# Altium PCB DIOT_Backplane.pcbdoc (part 9 of 11) (continued)
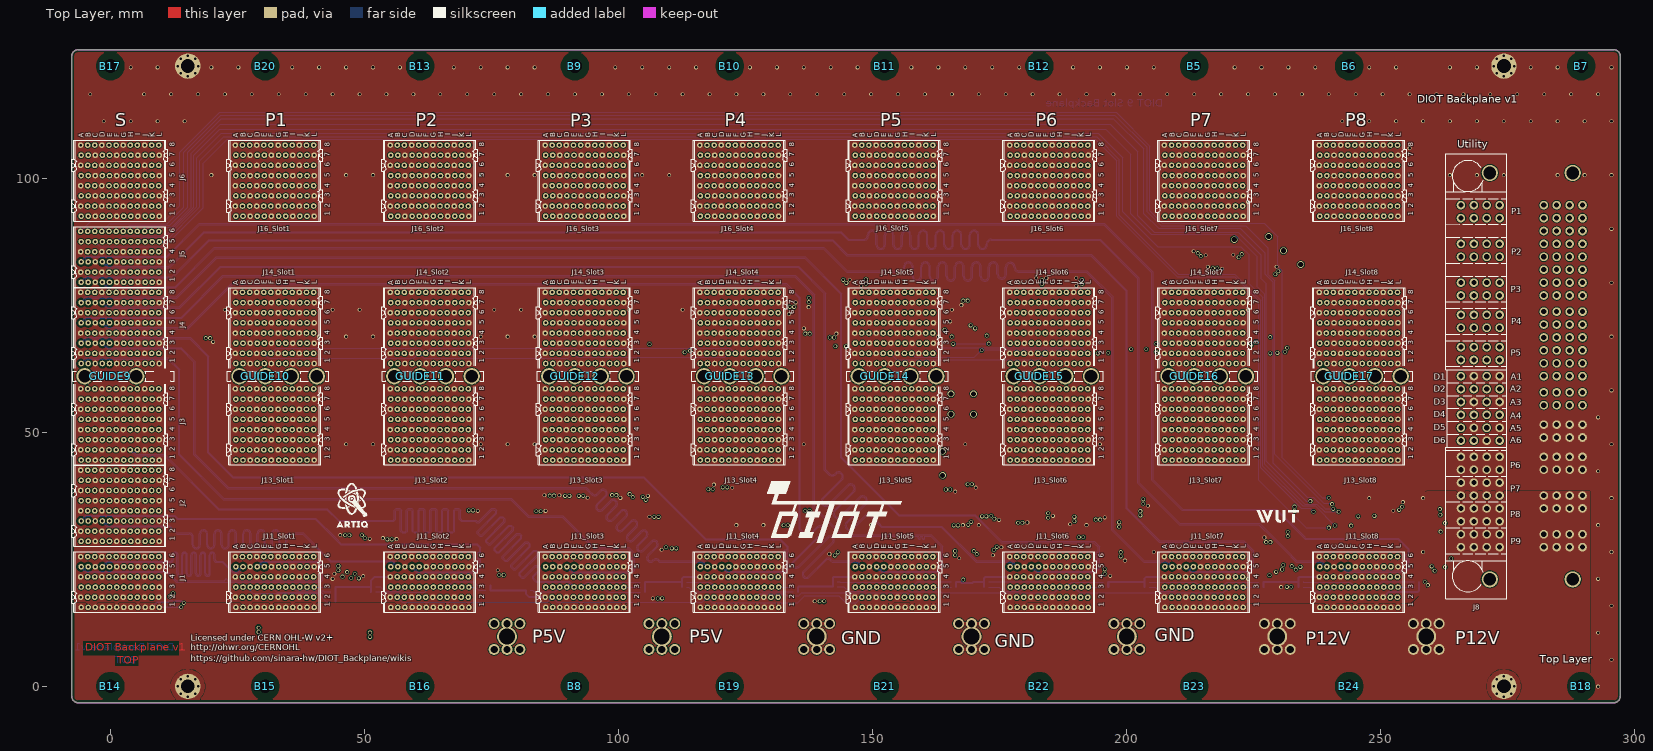
[diagram p0: Top Layer view]
## Nets (pads, with @x,y where several pads share a name; then routed paths per layer and width w, separated by ;. In a path a pad name is that pad's centre, name@x,y a point inside that pad or via, vN(x,y) a via of type N, cw(c..) or ccw(c..) an arc to the next point about the centre after c; other vN are vias at no path point) (continued)
R20.2 | length 110.7
  Bottom Layer w0.3: J1.L1@9.62,15.55 9.654,15.584 12.239,15.584
  Bottom Layer w0.4: C1.1@44.285,16.673 C2.1@44.285,17.639 C3.1@44.285,18.604 44.305,18.624 44.305,19.569 R2.1@51.264,19.569 ; C7.1@51.284,18.578 51.264,18.598 R2.1@51.264,19.569 ; J11_Slot2.A4@55.08,21.55 52.064,21.55 51.264,20.75 R2.1@51.264,19.569 ; C8.1@74.79,19.874 74.79,18.929 R3.1@74.81,18.909 C9.1@81.79,18.909 81.79,18.199 82.438,17.55 J11_Slot3.A2@85.56,17.55 ; C11.1@105.22,18.553 105.252,18.586 R5.1@105.252,19.544 105.24,19.556 R4.1@105.24,20.534 R6.1@112.542,20.534 ; R7.1@112.542,19.544 R6.1@112.542,20.534 ; J11_Slot4.A4@116.04,21.55 112.848,21.55 112.542,21.244 R6.1@112.542,20.534 ; C12.1@135.319,18.578 135.339,18.598 R8.1@135.339,19.544 135.415,19.62 C4.2@142.222,19.62 142.222,21.339 142.433,21.55 J11_Slot5.A4@146.52,21.55 ; R10.2@166.466,19.544 R9.2@166.466,20.547 167.356,20.547 167.562,20.341 169.609,20.341 169.815,20.547 C6.2@171.973,20.547 ; R11.2@171.953,19.527 171.953,20.547 171.953,21.238 172.266,21.55 J11_Slot6.A4@177,21.55 ; R13.2@196.425,19.535 R12.2@196.426,20.509 196.451,20.534 R14.2@203.588,20.534 ; C10.2@203.602,19.527 203.602,21.258 203.894,21.55 J11_Slot7.A4@207.48,21.55 ; R16.2@226.994,19.547 R15.2@226.994,20.534 227.045,20.585 R18.2@233.84,20.585 ; R17.2@233.84,19.556 R18.2@233.84,20.585 ; J11_Slot8.A4@237.96,21.55 234.055,21.55 233.84,21.334 R18.2@233.84,20.585 ; J11_Slot8.J2@250.56,17.55 251.614,18.604 257.354,18.604 257.614,18.863 R19.2@257.614,20.56
  other v1: 292.84,-0.05 295.49,5.25 292.84,10.55 295.49,15.85 138.628,16.752 106.776,17.311 230.454,19.541 43.74,21.15 223.94,21.15 292.84,21.15 49.765,21.711 196.82,21.75 44.089,22.163 76.264,22.851 199.72,24.75 167.105,25.225 173.731,25.795 141.523,26.049 205.39,26.45 258.39,26.45 295.49,26.45 108.503,26.887 175.389,27.399 56.327,28.992 51.053,29.034 53.636,29.188 227.172,29.3 45.252,29.778 134.284,31.716 123.24,31.75 128.54,31.75 149.74,31.75 167.82,31.75 170.94,31.75 192.14,31.75 292.84,31.75 188.92,31.891 180.52,32.25 174.92,32.75 195.72,33.25 106.122,33.403 185.52,33.55 72.314,34.529 85.669,34.532 252.521,34.558 204.22,35.55 254.426,36.26 247.79,37.05 258.39,37.05 295.49,37.05 100.406,37.086 93.944,37.141 105.811,37.479 85.44,37.606 88.387,37.606 166.32,38.35 122.423,39.079 170.357,39.139 118.81,39.718 292.84,42.35 46.39,47.65 51.69,47.65 72.89,47.65 78.19,47.65 83.49,47.65 136.49,47.65 168.29,47.65 194.79,47.65 295.49,47.65 292.84,52.95 295.49,58.25 20.213,67.806 41.09,68.85 46.39,68.85 51.69,68.85 72.89,68.85 78.19,68.85 83.49,68.85 162.99,68.85 295.49,68.85 142.92,69.432 136.52,70.45 165.288,71.845 133.573,73.267 22.54,74.15 43.74,74.15 49.04,74.15 75.54,74.15 80.84,74.15 102.04,74.15 112.64,74.15 165.64,74.15 223.94,74.15 137.434,74.664 167.52,75.05 134.869,75.579 147.82,78.85 190.164,78.855 178.89,79.45 295.49,79.45 145.537,80.024 182.265,80.354 184.246,80.379 190.114,80.379 218.841,82.208 216.047,82.564 229.56,82.589 215.62,84.85 221.02,84.95 213.22,85.65 295.49,90.05 223.94,95.35 19.89,100.65 46.39,100.65 51.69,100.65 72.89,100.65 78.19,100.65 83.49,100.65 104.69,100.65 109.99,100.65 263.69,100.65 268.99,100.65 274.29,100.65 284.89,100.65 290.19,100.65 295.49,100.65 255.74,105.95 -1.31,111.25 3.99,111.25 9.29,111.25 14.59,111.25 242.49,111.25 247.79,111.25 253.09,111.25 258.39,111.25 263.69,111.25 268.99,111.25 274.29,111.25 279.59,111.25 284.89,111.25 290.19,111.25 295.49,111.25 -3.96,116.55 6.64,116.55 11.94,116.55 17.24,116.55 22.54,116.55 27.84,116.55 33.14,116.55 38.44,116.55 43.74,116.55 49.04,116.55 54.34,116.55 59.64,116.55 64.94,116.55 70.24,116.55 75.54,116.55 80.84,116.55 86.14,116.55 91.44,116.55 96.74,116.55 102.04,116.55 107.34,116.55 112.64,116.55 117.94,116.55 123.24,116.55 128.54,116.55 133.84,116.55 139.14,116.55 144.44,116.55 149.74,116.55 155.04,116.55 160.34,116.55 165.64,116.55 170.94,116.55 176.24,116.55 181.54,116.55 186.84,116.55 192.14,116.55 197.44,116.55 202.74,116.55 208.04,116.55 213.34,116.55 218.64,116.55 223.94,116.55 229.24,116.55 234.54,116.55 239.84,116.55 245.14,116.55 250.44,116.55 255.74,116.55 261.04,116.55 266.34,116.55 271.64,116.55 276.94,116.55 282.24,116.55 287.54,116.55 292.84,116.55 3.99,121.85 9.29,121.85 19.89,121.85 25.19,121.85 35.79,121.85 41.09,121.85 46.39,121.85 51.69,121.85 56.99,121.85 67.59,121.85 72.89,121.85 78.19,121.85 83.49,121.85 99.39,121.85 104.69,121.85 109.99,121.85 115.29,121.85 125.89,121.85 131.19,121.85 136.49,121.85 141.79,121.85 147.09,121.85 157.69,121.85 162.99,121.85 168.29,121.85 173.59,121.85 178.89,121.85 189.49,121.85 194.79,121.85 200.09,121.85 205.39,121.85 221.29,121.85 226.59,121.85 231.89,121.85 237.19,121.85 247.79,121.85 253.09,121.85 263.69,121.85 268.99,121.85 279.59,121.85 284.89,121.85 295.49,121.85
  other v2: 15.24,-2.025 274.32,-2.025 13.808,-1.432 16.672,-1.432 272.888,-1.432 275.752,-1.432 13.215,0 17.265,0 272.295,0 276.345,0 13.808,1.432 16.672,1.432 272.888,1.432 275.752,1.432 15.24,2.025 274.32,2.025 15.24,120.075 274.32,120.075 13.808,120.668 16.672,120.668 272.888,120.668 275.752,120.668 13.215,122.1 17.265,122.1 272.295,122.1 276.345,122.1 13.808,123.532 16.672,123.532 272.888,123.532 275.752,123.532 15.24,124.125 274.32,124.125
I2C_SCL: J1.B2 J11_Slot1.B2 J11_Slot2.B2 J11_Slot3.B2 J11_Slot4.B2 J11_Slot5.B2 J11_Slot6.B2 J11_Slot7.B2 J11_Slot8.B2 | length 252.2
  L4 w0.102: J1.B2@-4.48,17.55 -3.527,16.597 13.287,16.597 13.99,17.3 20.77,17.3 21.625,16.445 24.895,16.445 J11_Slot1.B2@26,17.55 27.181,16.369 55.299,16.369 J11_Slot2.B2@56.48,17.55
  L8 w0.102: J11_Slot5.B2@147.92,17.55 148.924,16.546 177.396,16.546 J11_Slot6.B2@178.4,17.55 178.4,17.558 179.242,18.401 208.029,18.401 J11_Slot7.B2@208.88,17.55
  L10 w0.102: J11_Slot7.B2@208.88,17.55 209.756,18.426 238.158,18.426 239.034,17.55 J11_Slot8.B2@239.36,17.55
  Bottom Layer w0.102: J11_Slot2.B2@56.48,17.55 57.455,16.575 85.985,16.575 J11_Slot3.B2@86.96,17.55 87.913,16.597 116.487,16.597 J11_Slot4.B2@117.44,17.55 118.494,16.496 135.298,16.496 136.672,17.87 143.327,17.87 144.724,16.473 146.866,16.496 J11_Slot5.B2@147.92,17.55
I2C_SDA: J1.C2 J11_Slot1.C2 J11_Slot2.C2 J11_Slot3.C2 J11_Slot4.C2 J11_Slot5.C2 J11_Slot6.C2 J11_Slot7.C2 J11_Slot8.C2 | length 254.1
  L2 w0.102: J1.C2@-3.08,17.55 -2.143,16.613 13.703,16.613 14.935,17.845 21.589,17.845 22.871,16.563 26.413,16.563 J11_Slot1.C2@27.4,17.55 ; J11_Slot2.C2@57.88,17.55 58.858,16.572 87.382,16.572 J11_Slot3.C2@88.36,17.55
  L4 w0.102: J11_Slot1.C2@27.4,17.55 28.226,16.724 53.027,16.724 55.008,18.705 56.725,18.705 J11_Slot2.C2@57.88,17.55 ; J11_Slot3.C2@88.36,17.55 89.16,18.35 94.195,18.35 94.413,18.568 117.822,18.568 J11_Slot4.C2@118.84,17.55
  L8 w0.102: J11_Slot6.C2@179.8,17.55 180.829,16.521 209.251,16.521 J11_Slot7.C2@210.28,17.55
  L10 w0.102: J11_Slot4.C2@118.84,17.55 119.818,18.528 132.554,18.528 134.056,20.029 144.495,20.029 145.968,18.556 148.342,18.528 J11_Slot5.C2@149.32,17.55 150.221,18.451 162.377,18.451 164.256,16.572 178.822,16.572 J11_Slot6.C2@179.8,17.55 ; J11_Slot7.C2@210.28,17.55 211.08,16.75 239.96,16.75 J11_Slot8.C2@240.76,17.55
"IO0_Peripheral Slot 1": J14_Slot1.A3 J24_Slot1.A3
"IO0_Peripheral Slot 2": J14_Slot2.A3 J24_Slot2.A3
"IO0_Peripheral Slot 3": J14_Slot3.A3 J24_Slot3.A3
"IO0_Peripheral Slot 4": J14_Slot4.A3 J24_Slot4.A3
"IO0_Peripheral Slot 5": J14_Slot5.A3 J24_Slot5.A3
"IO0_Peripheral Slot 6": J14_Slot6.A3 J24_Slot6.A3
"IO0_Peripheral Slot 7": J14_Slot7.A3 J24_Slot7.A3
"IO0_Peripheral Slot 8": J14_Slot8.A3 J24_Slot8.A3
"IO1_Peripheral Slot 1": J14_Slot1.B3 J24_Slot1.B3
"IO1_Peripheral Slot 2": J14_Slot2.B3 J24_Slot2.B3
"IO1_Peripheral Slot 3": J14_Slot3.B3 J24_Slot3.B3
"IO1_Peripheral Slot 4": J14_Slot4.B3 J24_Slot4.B3
"IO1_Peripheral Slot 5": J14_Slot5.B3 J24_Slot5.B3
"IO1_Peripheral Slot 6": J14_Slot6.B3 J24_Slot6.B3
"IO1_Peripheral Slot 7": J14_Slot7.B3 J24_Slot7.B3
"IO1_Peripheral Slot 8": J14_Slot8.B3 J24_Slot8.B3
"IO2_Peripheral Slot 1": J14_Slot1.D3 J24_Slot1.D3
"IO2_Peripheral Slot 2": J14_Slot2.D3 J24_Slot2.D3
"IO2_Peripheral Slot 3": J14_Slot3.D3 J24_Slot3.D3
"IO2_Peripheral Slot 4": J14_Slot4.D3 J24_Slot4.D3
"IO2_Peripheral Slot 5": J14_Slot5.D3 J24_Slot5.D3
"IO2_Peripheral Slot 6": J14_Slot6.D3 J24_Slot6.D3
"IO2_Peripheral Slot 7": J14_Slot7.D3 J24_Slot7.D3
"IO2_Peripheral Slot 8": J14_Slot8.D3 J24_Slot8.D3
"IO3_Peripheral Slot 1": J14_Slot1.E3 J24_Slot1.E3
"IO3_Peripheral Slot 2": J14_Slot2.E3 J24_Slot2.E3
"IO3_Peripheral Slot 3": J14_Slot3.E3 J24_Slot3.E3
"IO3_Peripheral Slot 4": J14_Slot4.E3 J24_Slot4.E3
"IO3_Peripheral Slot 5": J14_Slot5.E3 J24_Slot5.E3
"IO3_Peripheral Slot 6": J14_Slot6.E3 J24_Slot6.E3
"IO3_Peripheral Slot 7": J14_Slot7.E3 J24_Slot7.E3
"IO3_Peripheral Slot 8": J14_Slot8.E3 J24_Slot8.E3
"IO4_Peripheral Slot 1": J14_Slot1.G3 J24_Slot1.G3
"IO4_Peripheral Slot 2": J14_Slot2.G3 J24_Slot2.G3
"IO4_Peripheral Slot 3": J14_Slot3.G3 J24_Slot3.G3
"IO4_Peripheral Slot 4": J14_Slot4.G3 J24_Slot4.G3
"IO4_Peripheral Slot 5": J14_Slot5.G3 J24_Slot5.G3
"IO4_Peripheral Slot 6": J14_Slot6.G3 J24_Slot6.G3
"IO4_Peripheral Slot 7": J14_Slot7.G3 J24_Slot7.G3
"IO4_Peripheral Slot 8": J14_Slot8.G3 J24_Slot8.G3
"IO5_Peripheral Slot 1": J14_Slot1.H3 J24_Slot1.H3
"IO5_Peripheral Slot 2": J14_Slot2.H3 J24_Slot2.H3
"IO5_Peripheral Slot 3": J14_Slot3.H3 J24_Slot3.H3
"IO5_Peripheral Slot 4": J14_Slot4.H3 J24_Slot4.H3
"IO5_Peripheral Slot 5": J14_Slot5.H3 J24_Slot5.H3
"IO5_Peripheral Slot 6": J14_Slot6.H3 J24_Slot6.H3
"IO5_Peripheral Slot 7": J14_Slot7.H3 J24_Slot7.H3
"IO5_Peripheral Slot 8": J14_Slot8.H3 J24_Slot8.H3
"IO6_Peripheral Slot 1": J14_Slot1.J3 J24_Slot1.J3
"IO6_Peripheral Slot 2": J14_Slot2.J3 J24_Slot2.J3
"IO6_Peripheral Slot 3": J14_Slot3.J3 J24_Slot3.J3
"IO6_Peripheral Slot 4": J14_Slot4.J3 J24_Slot4.J3
"IO6_Peripheral Slot 5": J14_Slot5.J3 J24_Slot5.J3
"IO6_Peripheral Slot 6": J14_Slot6.J3 J24_Slot6.J3
"IO6_Peripheral Slot 7": J14_Slot7.J3 J24_Slot7.J3
"IO6_Peripheral Slot 8": J14_Slot8.J3 J24_Slot8.J3
"IO7_Peripheral Slot 1": J14_Slot1.K3 J24_Slot1.K3
"IO7_Peripheral Slot 2": J14_Slot2.K3 J24_Slot2.K3
"IO7_Peripheral Slot 3": J14_Slot3.K3 J24_Slot3.K3
"IO7_Peripheral Slot 4": J14_Slot4.K3 J24_Slot4.K3
"IO7_Peripheral Slot 5": J14_Slot5.K3 J24_Slot5.K3
"IO7_Peripheral Slot 6": J14_Slot6.K3 J24_Slot6.K3
"IO7_Peripheral Slot 7": J14_Slot7.K3 J24_Slot7.K3
"IO7_Peripheral Slot 8": J14_Slot8.K3 J24_Slot8.K3
"IO8_Peripheral Slot 1": J14_Slot1.B4 J24_Slot1.B4
"IO8_Peripheral Slot 2": J14_Slot2.B4 J24_Slot2.B4
"IO8_Peripheral Slot 3": J14_Slot3.B4 J24_Slot3.B4
"IO8_Peripheral Slot 4": J14_Slot4.B4 J24_Slot4.B4
"IO8_Peripheral Slot 5": J14_Slot5.B4 J24_Slot5.B4
"IO8_Peripheral Slot 6": J14_Slot6.B4 J24_Slot6.B4
"IO8_Peripheral Slot 7": J14_Slot7.B4 J24_Slot7.B4
"IO8_Peripheral Slot 8": J14_Slot8.B4 J24_Slot8.B4
"IO9_Peripheral Slot 1": J14_Slot1.C4 J24_Slot1.C4
"IO9_Peripheral Slot 2": J14_Slot2.C4 J24_Slot2.C4
"IO9_Peripheral Slot 3": J14_Slot3.C4 J24_Slot3.C4
"IO9_Peripheral Slot 4": J14_Slot4.C4 J24_Slot4.C4
"IO9_Peripheral Slot 5": J14_Slot5.C4 J24_Slot5.C4
"IO9_Peripheral Slot 6": J14_Slot6.C4 J24_Slot6.C4
"IO9_Peripheral Slot 7": J14_Slot7.C4 J24_Slot7.C4
"IO9_Peripheral Slot 8": J14_Slot8.C4 J24_Slot8.C4
"IO10_Peripheral Slot 1": J14_Slot1.E4 J24_Slot1.E4
"IO10_Peripheral Slot 2": J14_Slot2.E4 J24_Slot2.E4
"IO10_Peripheral Slot 3": J14_Slot3.E4 J24_Slot3.E4
"IO10_Peripheral Slot 4": J14_Slot4.E4 J24_Slot4.E4
"IO10_Peripheral Slot 5": J14_Slot5.E4 J24_Slot5.E4
"IO10_Peripheral Slot 6": J14_Slot6.E4 J24_Slot6.E4
"IO10_Peripheral Slot 7": J14_Slot7.E4 J24_Slot7.E4
"IO10_Peripheral Slot 8": J14_Slot8.E4 J24_Slot8.E4
"IO11_Peripheral Slot 1": J14_Slot1.F4 J24_Slot1.F4
"IO11_Peripheral Slot 2": J14_Slot2.F4 J24_Slot2.F4
"IO11_Peripheral Slot 3": J14_Slot3.F4 J24_Slot3.F4
"IO11_Peripheral Slot 4": J14_Slot4.F4 J24_Slot4.F4
"IO11_Peripheral Slot 5": J14_Slot5.F4 J24_Slot5.F4
"IO11_Peripheral Slot 6": J14_Slot6.F4 J24_Slot6.F4
"IO11_Peripheral Slot 7": J14_Slot7.F4 J24_Slot7.F4
"IO11_Peripheral Slot 8": J14_Slot8.F4 J24_Slot8.F4
"IO12_Peripheral Slot 1": J14_Slot1.H4 J24_Slot1.H4
"IO12_Peripheral Slot 2": J14_Slot2.H4 J24_Slot2.H4
"IO12_Peripheral Slot 3": J14_Slot3.H4 J24_Slot3.H4
"IO12_Peripheral Slot 4": J14_Slot4.H4 J24_Slot4.H4
"IO12_Peripheral Slot 5": J14_Slot5.H4 J24_Slot5.H4
"IO12_Peripheral Slot 6": J14_Slot6.H4 J24_Slot6.H4
"IO12_Peripheral Slot 7": J14_Slot7.H4 J24_Slot7.H4
"IO12_Peripheral Slot 8": J14_Slot8.H4 J24_Slot8.H4
"IO13_Peripheral Slot 1": J14_Slot1.I4 J24_Slot1.I4
"IO13_Peripheral Slot 2": J14_Slot2.I4 J24_Slot2.I4
"IO13_Peripheral Slot 3": J14_Slot3.I4 J24_Slot3.I4
"IO13_Peripheral Slot 4": J14_Slot4.I4 J24_Slot4.I4
"IO13_Peripheral Slot 5": J14_Slot5.I4 J24_Slot5.I4
"IO13_Peripheral Slot 6": J14_Slot6.I4 J24_Slot6.I4
"IO13_Peripheral Slot 7": J14_Slot7.I4 J24_Slot7.I4
"IO13_Peripheral Slot 8": J14_Slot8.I4 J24_Slot8.I4
"IO14_Peripheral Slot 1": J14_Slot1.K4 J24_Slot1.K4
"IO14_Peripheral Slot 2": J14_Slot2.K4 J24_Slot2.K4
"IO14_Peripheral Slot 3": J14_Slot3.K4 J24_Slot3.K4
"IO14_Peripheral Slot 4": J14_Slot4.K4 J24_Slot4.K4
"IO14_Peripheral Slot 5": J14_Slot5.K4 J24_Slot5.K4
"IO14_Peripheral Slot 6": J14_Slot6.K4 J24_Slot6.K4
"IO14_Peripheral Slot 7": J14_Slot7.K4 J24_Slot7.K4
"IO14_Peripheral Slot 8": J14_Slot8.K4 J24_Slot8.K4
"IO15_Peripheral Slot 1": J14_Slot1.L4 J24_Slot1.L4
"IO15_Peripheral Slot 2": J14_Slot2.L4 J24_Slot2.L4
"IO15_Peripheral Slot 3": J14_Slot3.L4 J24_Slot3.L4
"IO15_Peripheral Slot 4": J14_Slot4.L4 J24_Slot4.L4
"IO15_Peripheral Slot 5": J14_Slot5.L4 J24_Slot5.L4
"IO15_Peripheral Slot 6": J14_Slot6.L4 J24_Slot6.L4
"IO15_Peripheral Slot 7": J14_Slot7.L4 J24_Slot7.L4
"IO15_Peripheral Slot 8": J14_Slot8.L4 J24_Slot8.L4
"IO16_Peripheral Slot 1": J14_Slot1.A5 J24_Slot1.A5
"IO16_Peripheral Slot 2": J14_Slot2.A5 J24_Slot2.A5
"IO16_Peripheral Slot 3": J14_Slot3.A5 J24_Slot3.A5
"IO16_Peripheral Slot 4": J14_Slot4.A5 J24_Slot4.A5
"IO16_Peripheral Slot 5": J14_Slot5.A5 J24_Slot5.A5
"IO16_Peripheral Slot 6": J14_Slot6.A5 J24_Slot6.A5
"IO16_Peripheral Slot 7": J14_Slot7.A5 J24_Slot7.A5
"IO16_Peripheral Slot 8": J14_Slot8.A5 J24_Slot8.A5
"IO17_Peripheral Slot 1": J14_Slot1.B5 J24_Slot1.B5
"IO17_Peripheral Slot 2": J14_Slot2.B5 J24_Slot2.B5
"IO17_Peripheral Slot 3": J14_Slot3.B5 J24_Slot3.B5
"IO17_Peripheral Slot 4": J14_Slot4.B5 J24_Slot4.B5
"IO17_Peripheral Slot 5": J14_Slot5.B5 J24_Slot5.B5
"IO17_Peripheral Slot 6": J14_Slot6.B5 J24_Slot6.B5
"IO17_Peripheral Slot 7": J14_Slot7.B5 J24_Slot7.B5
"IO17_Peripheral Slot 8": J14_Slot8.B5 J24_Slot8.B5
"IO18_Peripheral Slot 1": J14_Slot1.D5 J24_Slot1.D5
"IO18_Peripheral Slot 2": J14_Slot2.D5 J24_Slot2.D5
"IO18_Peripheral Slot 3": J14_Slot3.D5 J24_Slot3.D5
"IO18_Peripheral Slot 4": J14_Slot4.D5 J24_Slot4.D5
"IO18_Peripheral Slot 5": J14_Slot5.D5 J24_Slot5.D5
"IO18_Peripheral Slot 6": J14_Slot6.D5 J24_Slot6.D5
"IO18_Peripheral Slot 7": J14_Slot7.D5 J24_Slot7.D5
"IO18_Peripheral Slot 8": J14_Slot8.D5 J24_Slot8.D5
"IO19_Peripheral Slot 1": J14_Slot1.E5 J24_Slot1.E5
"IO19_Peripheral Slot 2": J14_Slot2.E5 J24_Slot2.E5
"IO19_Peripheral Slot 3": J14_Slot3.E5 J24_Slot3.E5
"IO19_Peripheral Slot 4": J14_Slot4.E5 J24_Slot4.E5
"IO19_Peripheral Slot 5": J14_Slot5.E5 J24_Slot5.E5
"IO19_Peripheral Slot 6": J14_Slot6.E5 J24_Slot6.E5
"IO19_Peripheral Slot 7": J14_Slot7.E5 J24_Slot7.E5
"IO19_Peripheral Slot 8": J14_Slot8.E5 J24_Slot8.E5
"IO20_Peripheral Slot 1": J14_Slot1.G5 J24_Slot1.G5
"IO20_Peripheral Slot 2": J14_Slot2.G5 J24_Slot2.G5
"IO20_Peripheral Slot 3": J14_Slot3.G5 J24_Slot3.G5
"IO20_Peripheral Slot 4": J14_Slot4.G5 J24_Slot4.G5
"IO20_Peripheral Slot 5": J14_Slot5.G5 J24_Slot5.G5
"IO20_Peripheral Slot 6": J14_Slot6.G5 J24_Slot6.G5
"IO20_Peripheral Slot 7": J14_Slot7.G5 J24_Slot7.G5
"IO20_Peripheral Slot 8": J14_Slot8.G5 J24_Slot8.G5
"IO21_Peripheral Slot 1": J14_Slot1.H5 J24_Slot1.H5
"IO21_Peripheral Slot 2": J14_Slot2.H5 J24_Slot2.H5
"IO21_Peripheral Slot 3": J14_Slot3.H5 J24_Slot3.H5
"IO21_Peripheral Slot 4": J14_Slot4.H5 J24_Slot4.H5
"IO21_Peripheral Slot 5": J14_Slot5.H5 J24_Slot5.H5
"IO21_Peripheral Slot 6": J14_Slot6.H5 J24_Slot6.H5
"IO21_Peripheral Slot 7": J14_Slot7.H5 J24_Slot7.H5
"IO21_Peripheral Slot 8": J14_Slot8.H5 J24_Slot8.H5
"IO22_Peripheral Slot 1": J14_Slot1.J5 J24_Slot1.J5
"IO22_Peripheral Slot 2": J14_Slot2.J5 J24_Slot2.J5
"IO22_Peripheral Slot 3": J14_Slot3.J5 J24_Slot3.J5
"IO22_Peripheral Slot 4": J14_Slot4.J5 J24_Slot4.J5
"IO22_Peripheral Slot 5": J14_Slot5.J5 J24_Slot5.J5
"IO22_Peripheral Slot 6": J14_Slot6.J5 J24_Slot6.J5
"IO22_Peripheral Slot 7": J14_Slot7.J5 J24_Slot7.J5
"IO22_Peripheral Slot 8": J14_Slot8.J5 J24_Slot8.J5
"IO23_Peripheral Slot 1": J14_Slot1.K5 J24_Slot1.K5
"IO23_Peripheral Slot 2": J14_Slot2.K5 J24_Slot2.K5
"IO23_Peripheral Slot 3": J14_Slot3.K5 J24_Slot3.K5
"IO23_Peripheral Slot 4": J14_Slot4.K5 J24_Slot4.K5
"IO23_Peripheral Slot 5": J14_Slot5.K5 J24_Slot5.K5
"IO23_Peripheral Slot 6": J14_Slot6.K5 J24_Slot6.K5
"IO23_Peripheral Slot 7": J14_Slot7.K5 J24_Slot7.K5
"IO23_Peripheral Slot 8": J14_Slot8.K5 J24_Slot8.K5
"IO24_Peripheral Slot 1": J14_Slot1.B6 J24_Slot1.B6
"IO24_Peripheral Slot 2": J14_Slot2.B6 J24_Slot2.B6
"IO24_Peripheral Slot 3": J14_Slot3.B6 J24_Slot3.B6
"IO24_Peripheral Slot 4": J14_Slot4.B6 J24_Slot4.B6
"IO24_Peripheral Slot 5": J14_Slot5.B6 J24_Slot5.B6
"IO24_Peripheral Slot 6": J14_Slot6.B6 J24_Slot6.B6
"IO24_Peripheral Slot 7": J14_Slot7.B6 J24_Slot7.B6
"IO24_Peripheral Slot 8": J14_Slot8.B6 J24_Slot8.B6
"IO25_Peripheral Slot 1": J14_Slot1.C6 J24_Slot1.C6
"IO25_Peripheral Slot 2": J14_Slot2.C6 J24_Slot2.C6
"IO25_Peripheral Slot 3": J14_Slot3.C6 J24_Slot3.C6
"IO25_Peripheral Slot 4": J14_Slot4.C6 J24_Slot4.C6
"IO25_Peripheral Slot 5": J14_Slot5.C6 J24_Slot5.C6
"IO25_Peripheral Slot 6": J14_Slot6.C6 J24_Slot6.C6
"IO25_Peripheral Slot 7": J14_Slot7.C6 J24_Slot7.C6
"IO25_Peripheral Slot 8": J14_Slot8.C6 J24_Slot8.C6
"IO26_Peripheral Slot 1": J14_Slot1.E6 J24_Slot1.E6
"IO26_Peripheral Slot 2": J14_Slot2.E6 J24_Slot2.E6
"IO26_Peripheral Slot 3": J14_Slot3.E6 J24_Slot3.E6
"IO26_Peripheral Slot 4": J14_Slot4.E6 J24_Slot4.E6
"IO26_Peripheral Slot 5": J14_Slot5.E6 J24_Slot5.E6
"IO26_Peripheral Slot 6": J14_Slot6.E6 J24_Slot6.E6
"IO26_Peripheral Slot 7": J14_Slot7.E6 J24_Slot7.E6
"IO26_Peripheral Slot 8": J14_Slot8.E6 J24_Slot8.E6
"IO27_Peripheral Slot 1": J14_Slot1.F6 J24_Slot1.F6

## Text inside footprints (layer, text, board x,y; h text height)
J24_Slot8: Drill Drawing "Diam. 0.5mm +/-0.05" at 237.612,79.55 h1; Drill Drawing "PRESS-FIT TECHNOLOGY" at 236.731,81.05 h1; Bottom Overlay "8" at 256.26,77.2 h1 r270; Bottom Overlay "7" at 256.26,75.2 h1 r270; Bottom Overlay "6" at 256.26,73.2 h1 r270; Bottom Overlay "5" at 256.26,71.2 h1 r270; Bottom Overlay "4" at 256.26,69.2 h1 r270; Bottom Overlay "3" at 256.26,67.2 h1 r270; Bottom Overlay "2" at 256.26,65.2 h1 r270; Bottom Overlay "1" at 256.26,63.2 h1 r270; Mechanical 14 "8" at 256.26,77.2 h1 r270; Mechanical 14 "7" at 256.26,75.2 h1 r270; Mechanical 14 "6" at 256.26,73.2 h1 r270; Mechanical 14 "5" at 256.26,71.2 h1 r270; Mechanical 14 "4" at 256.26,69.2 h1 r270; Mechanical 14 "3" at 256.26,67.2 h1 r270; Mechanical 14 "2" at 256.26,65.2 h1 r270; Mechanical 14 "1" at 256.26,63.2 h1 r270; Mechanical 14 "L" at 252.96,61.35 h1 r270; Mechanical 14 "L" at 252.96,61.35 h1 r270; Mechanical 14 "K" at 251.56,61.35 h1 r270; Mechanical 14 "K" at 251.56,61.35 h1 r270; Mechanical 14 "J" at 250.16,61.35 h1 r270; Mechanical 14 "J" at 250.16,61.35 h1 r270; Mechanical 14 "I" at 248.76,61.6 h1 r270; Mechanical 14 "I" at 248.76,61.6 h1 r270; Mechanical 14 "H" at 247.36,61.35 h1 r270; Mechanical 14 "H" at 247.36,61.35 h1 r270; Mechanical 14 "G" at 245.96,61.35 h1 r270; Mechanical 14 "G" at 245.96,61.35 h1 r270; Mechanical 14 "F" at 244.56,61.35 h1 r270; Mechanical 14 "F" at 244.56,61.35 h1 r270; Mechanical 14 "E" at 243.16,61.35 h1 r270; Mechanical 14 "E" at 243.16,61.35 h1 r270; Mechanical 14 "C" at 240.36,61.35 h1 r270; Mechanical 14 "D" at 241.76,61.35 h1 r270; Mechanical 14 "D" at 241.76,61.35 h1 r270; Mechanical 14 "C" at 240.36,61.35 h1 r270; Mechanical 14 "B" at 238.96,61.35 h1 r270; Mechanical 14 "B" at 238.96,61.35 h1 r270; Mechanical 14 "A" at 237.56,61.35 h1 r270; Mechanical 14 "A" at 237.56,61.35 h1 r270